# KiCad board GPDI_ULX3S_panel.kicad_pcb (continued)
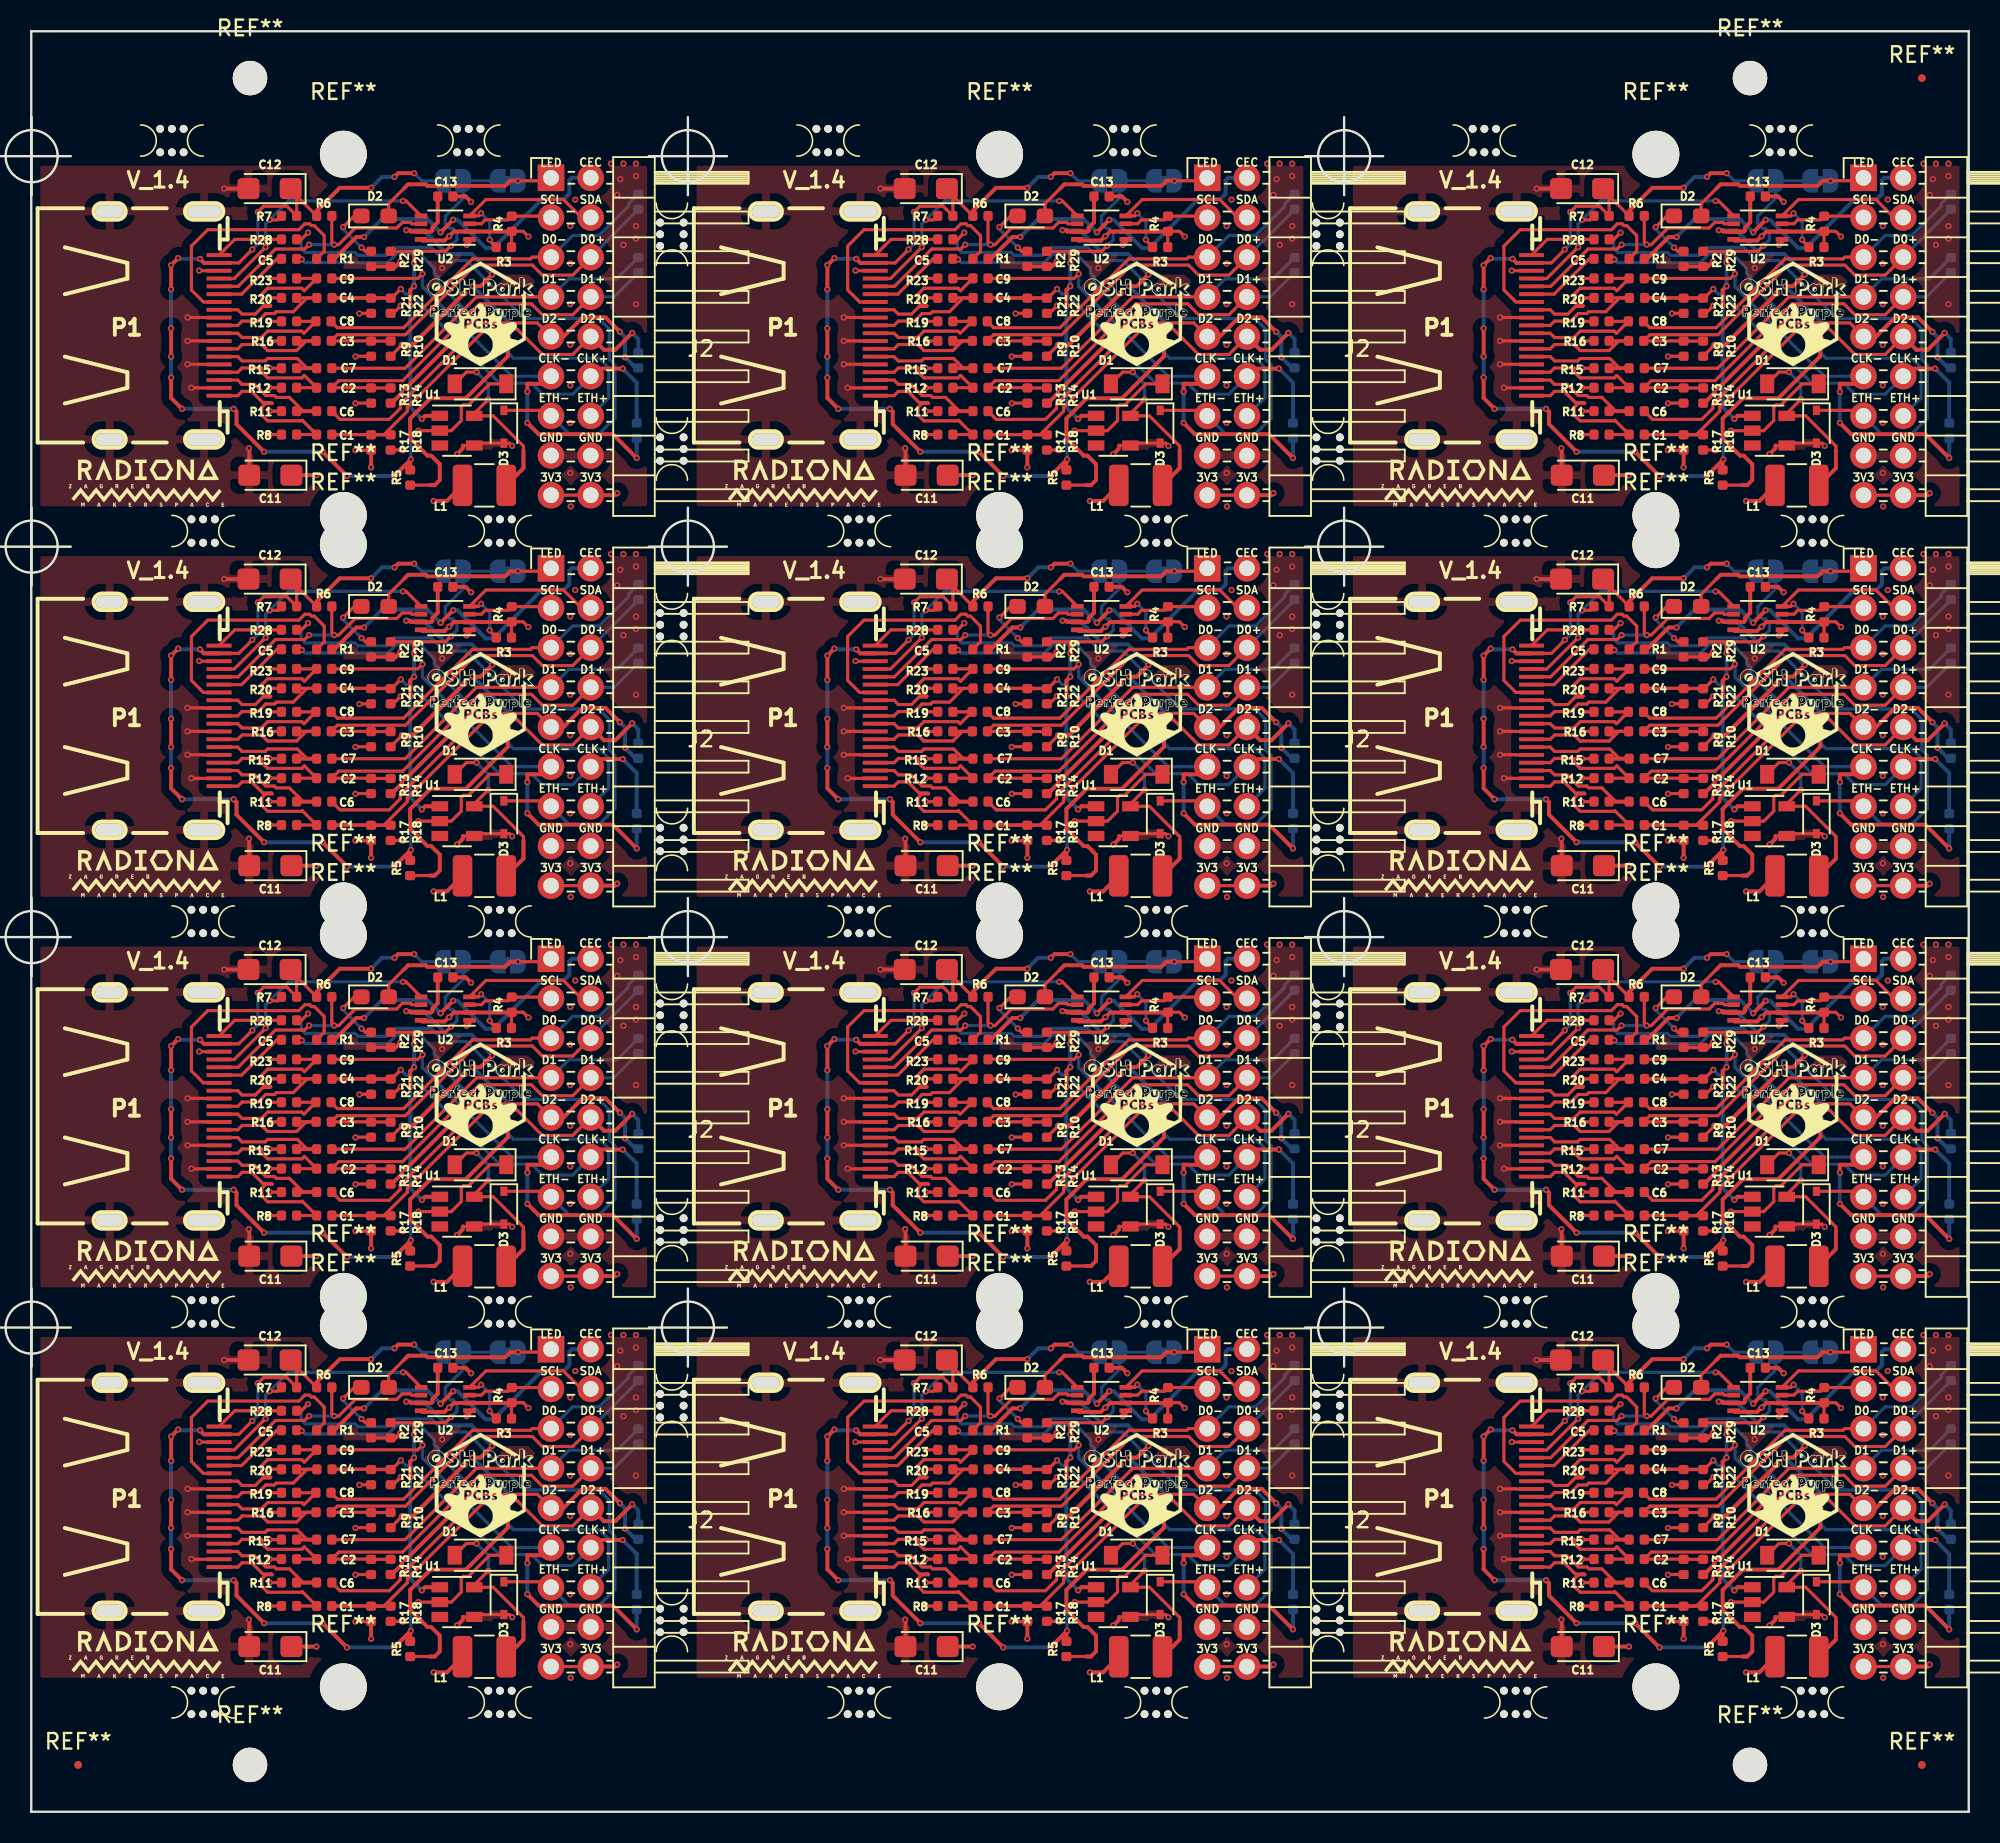
[diagram p0: board, top side]
## Placement (name value [footprint] x y rotation side) (continued)
P1#2  GPDI  [HDMI-D]  48.47 95.17 180 top
P1#3  GPDI  [HDMI-D]  90.47 95.17 180 top
P1#4  GPDI  [HDMI-D]  6.47 70.17 180 top
P1#5  GPDI  [HDMI-D]  48.47 70.17 180 top
P1#6  GPDI  [HDMI-D]  90.47 70.17 180 top
P1#7  GPDI  [HDMI-D]  6.47 45.17 180 top
P1#8  GPDI  [HDMI-D]  48.47 45.17 180 top
P1#9  GPDI  [HDMI-D]  90.47 45.17 180 top
P1#10  GPDI  [HDMI-D]  6.47 20.17 180 top
P1#11  GPDI  [HDMI-D]  48.47 20.17 180 top
P1#12  GPDI  [HDMI-D]  90.47 20.17 180 top
R1  510  [R_0402_1005Metric]  18.75 99.43 0 top
R1#2  510  [R_0402_1005Metric]  60.75 99.43 0 top
R1#3  510  [R_0402_1005Metric]  102.75 99.43 0 top
R1#4  510  [R_0402_1005Metric]  18.75 74.43 0 top
R1#5  510  [R_0402_1005Metric]  60.75 74.43 0 top
R1#6  510  [R_0402_1005Metric]  102.75 74.43 0 top
R1#7  510  [R_0402_1005Metric]  18.75 49.42 0 top
R1#8  510  [R_0402_1005Metric]  60.75 49.42 0 top
R1#9  510  [R_0402_1005Metric]  102.75 49.42 0 top
R1#10  510  [R_0402_1005Metric]  18.75 24.43 0 top
R1#11  510  [R_0402_1005Metric]  60.75 24.43 0 top
R1#12  510  [R_0402_1005Metric]  102.75 24.43 0 top
R2  4.7k  [R_0402_1005Metric]  21.75 99.43 270 top
R2#2  4.7k  [R_0402_1005Metric]  63.75 99.43 270 top
R2#3  4.7k  [R_0402_1005Metric]  105.75 99.43 270 top
R2#4  4.7k  [R_0402_1005Metric]  21.75 74.43 270 top
R2#5  4.7k  [R_0402_1005Metric]  63.75 74.43 270 top
R2#6  4.7k  [R_0402_1005Metric]  105.75 74.43 270 top
R2#7  4.7k  [R_0402_1005Metric]  21.75 49.42 270 top
R2#8  4.7k  [R_0402_1005Metric]  63.75 49.42 270 top
R2#9  4.7k  [R_0402_1005Metric]  105.75 49.42 270 top
R2#10  4.7k  [R_0402_1005Metric]  21.75 24.43 270 top
R2#11  4.7k  [R_0402_1005Metric]  63.75 24.43 270 top
R2#12  4.7k  [R_0402_1005Metric]  105.75 24.43 270 top
R3  3.3k  [R_0402_1005Metric]  30.25 100.18 180 top
R3#2  3.3k  [R_0402_1005Metric]  72.25 100.18 180 top
R3#3  3.3k  [R_0402_1005Metric]  114.25 100.18 180 top
R3#4  3.3k  [R_0402_1005Metric]  30.25 75.18 180 top
R3#5  3.3k  [R_0402_1005Metric]  72.25 75.18 180 top
R3#6  3.3k  [R_0402_1005Metric]  114.25 75.18 180 top
R3#7  3.3k  [R_0402_1005Metric]  30.25 50.17 180 top
R3#8  3.3k  [R_0402_1005Metric]  72.25 50.17 180 top
R3#9  3.3k  [R_0402_1005Metric]  114.25 50.17 180 top
R3#10  3.3k  [R_0402_1005Metric]  30.25 25.18 180 top
R3#11  3.3k  [R_0402_1005Metric]  72.25 25.18 180 top
R3#12  3.3k  [R_0402_1005Metric]  114.25 25.18 180 top
R4  3.3k  [R_0402_1005Metric]  30.75 101.68 90 top
R4#2  3.3k  [R_0402_1005Metric]  72.75 101.68 90 top
R4#3  3.3k  [R_0402_1005Metric]  114.75 101.68 90 top
R4#4  3.3k  [R_0402_1005Metric]  30.75 76.68 90 top
R4#5  3.3k  [R_0402_1005Metric]  72.75 76.68 90 top
R4#6  3.3k  [R_0402_1005Metric]  114.75 76.68 90 top
R4#7  3.3k  [R_0402_1005Metric]  30.75 51.68 90 top
R4#8  3.3k  [R_0402_1005Metric]  72.75 51.68 90 top
R4#9  3.3k  [R_0402_1005Metric]  114.75 51.68 90 top
R4#10  3.3k  [R_0402_1005Metric]  30.75 26.68 90 top
R4#11  3.3k  [R_0402_1005Metric]  72.75 26.68 90 top
R4#12  3.3k  [R_0402_1005Metric]  114.75 26.68 90 top
R5  100k  [R_0402_1005Metric]  24.25 85.43 270 top
R5#2  100k  [R_0402_1005Metric]  66.25 85.43 270 top
R5#3  100k  [R_0402_1005Metric]  108.25 85.43 270 top
R5#4  100k  [R_0402_1005Metric]  24.25 60.43 270 top
R5#5  100k  [R_0402_1005Metric]  66.25 60.43 270 top
R5#6  100k  [R_0402_1005Metric]  108.25 60.43 270 top
R5#7  100k  [R_0402_1005Metric]  24.25 35.42 270 top
R5#8  100k  [R_0402_1005Metric]  66.25 35.42 270 top
R5#9  100k  [R_0402_1005Metric]  108.25 35.42 270 top
R5#10  100k  [R_0402_1005Metric]  24.25 10.43 270 top
R5#11  100k  [R_0402_1005Metric]  66.25 10.43 270 top
R5#12  100k  [R_0402_1005Metric]  108.25 10.43 270 top
R6  4.7k  [R_0402_1005Metric]  18.75 102.18 0 top
R6#2  4.7k  [R_0402_1005Metric]  60.75 102.18 0 top
R6#3  4.7k  [R_0402_1005Metric]  102.75 102.18 0 top
R6#4  4.7k  [R_0402_1005Metric]  18.75 77.18 0 top
R6#5  4.7k  [R_0402_1005Metric]  60.75 77.18 0 top
R6#6  4.7k  [R_0402_1005Metric]  102.75 77.18 0 top
R6#7  4.7k  [R_0402_1005Metric]  18.75 52.18 0 top
R6#8  4.7k  [R_0402_1005Metric]  60.75 52.18 0 top
R6#9  4.7k  [R_0402_1005Metric]  102.75 52.18 0 top
R6#10  4.7k  [R_0402_1005Metric]  18.75 27.18 0 top
R6#11  4.7k  [R_0402_1005Metric]  60.75 27.18 0 top
R6#12  4.7k  [R_0402_1005Metric]  102.75 27.18 0 top
R7  4.7k  [R_0402_1005Metric]  16.5 102.18 180 top
R7#2  4.7k  [R_0402_1005Metric]  58.5 102.18 180 top
R7#3  4.7k  [R_0402_1005Metric]  100.5 102.18 180 top
R7#4  4.7k  [R_0402_1005Metric]  16.5 77.18 180 top
R7#5  4.7k  [R_0402_1005Metric]  58.5 77.18 180 top
R7#6  4.7k  [R_0402_1005Metric]  100.5 77.18 180 top
R7#7  4.7k  [R_0402_1005Metric]  16.5 52.18 180 top
R7#8  4.7k  [R_0402_1005Metric]  58.5 52.18 180 top
R7#9  4.7k  [R_0402_1005Metric]  100.5 52.18 180 top
R7#10  4.7k  [R_0402_1005Metric]  16.5 27.18 180 top
R7#11  4.7k  [R_0402_1005Metric]  58.5 27.18 180 top
R7#12  4.7k  [R_0402_1005Metric]  100.5 27.18 180 top
R8  50R  [R_0402_1005Metric]  16.5 88.18 0 top
R8#2  50R  [R_0402_1005Metric]  58.5 88.18 0 top
R8#3  50R  [R_0402_1005Metric]  100.5 88.18 0 top
R8#4  50R  [R_0402_1005Metric]  16.5 63.18 0 top
R8#5  50R  [R_0402_1005Metric]  58.5 63.18 0 top
R8#6  50R  [R_0402_1005Metric]  100.5 63.18 0 top
R8#7  50R  [R_0402_1005Metric]  16.5 38.17 0 top
R8#8  50R  [R_0402_1005Metric]  58.5 38.17 0 top
R8#9  50R  [R_0402_1005Metric]  100.5 38.17 0 top
R8#10  50R  [R_0402_1005Metric]  16.5 13.18 0 top
R8#11  50R  [R_0402_1005Metric]  58.5 13.18 0 top
R8#12  50R  [R_0402_1005Metric]  100.5 13.18 0 top
R9  10K  [R_0402_1005Metric]  21.75 93.68 90 top
R9#2  10K  [R_0402_1005Metric]  63.75 93.68 90 top
R9#3  10K  [R_0402_1005Metric]  105.75 93.68 90 top
R9#4  10K  [R_0402_1005Metric]  21.75 68.68 90 top
R9#5  10K  [R_0402_1005Metric]  63.75 68.68 90 top
R9#6  10K  [R_0402_1005Metric]  105.75 68.68 90 top
R9#7  10K  [R_0402_1005Metric]  21.75 43.67 90 top
R9#8  10K  [R_0402_1005Metric]  63.75 43.67 90 top
R9#9  10K  [R_0402_1005Metric]  105.75 43.67 90 top
R9#10  10K  [R_0402_1005Metric]  21.75 18.68 90 top
R9#11  10K  [R_0402_1005Metric]  63.75 18.68 90 top
R9#12  10K  [R_0402_1005Metric]  105.75 18.68 90 top
R10  10K  [R_0402_1005Metric]  23 93.68 270 top
R10#2  10K  [R_0402_1005Metric]  65 93.68 270 top
R10#3  10K  [R_0402_1005Metric]  107 93.68 270 top
R10#4  10K  [R_0402_1005Metric]  23 68.68 270 top
R10#5  10K  [R_0402_1005Metric]  65 68.68 270 top
R10#6  10K  [R_0402_1005Metric]  107 68.68 270 top
R10#7  10K  [R_0402_1005Metric]  23 43.67 270 top
R10#8  10K  [R_0402_1005Metric]  65 43.67 270 top
R10#9  10K  [R_0402_1005Metric]  107 43.67 270 top
R10#10  10K  [R_0402_1005Metric]  23 18.68 270 top
R10#11  10K  [R_0402_1005Metric]  65 18.68 270 top
R10#12  10K  [R_0402_1005Metric]  107 18.68 270 top
R11  50R  [R_0402_1005Metric]  16.5 89.68 0 top
R11#2  50R  [R_0402_1005Metric]  58.5 89.68 0 top
R11#3  50R  [R_0402_1005Metric]  100.5 89.68 0 top
R11#4  50R  [R_0402_1005Metric]  16.5 64.68 0 top
R11#5  50R  [R_0402_1005Metric]  58.5 64.68 0 top
R11#6  50R  [R_0402_1005Metric]  100.5 64.68 0 top
R11#7  50R  [R_0402_1005Metric]  16.5 39.67 0 top
R11#8  50R  [R_0402_1005Metric]  58.5 39.67 0 top
R11#9  50R  [R_0402_1005Metric]  100.5 39.67 0 top
R11#10  50R  [R_0402_1005Metric]  16.5 14.68 0 top
R11#11  50R  [R_0402_1005Metric]  58.5 14.68 0 top
R11#12  50R  [R_0402_1005Metric]  100.5 14.68 0 top
R12  50R  [R_0402_1005Metric]  16.5 91.18 0 top
R12#2  50R  [R_0402_1005Metric]  58.5 91.18 0 top
R12#3  50R  [R_0402_1005Metric]  100.5 91.18 0 top
R12#4  50R  [R_0402_1005Metric]  16.5 66.18 0 top
R12#5  50R  [R_0402_1005Metric]  58.5 66.18 0 top
R12#6  50R  [R_0402_1005Metric]  100.5 66.18 0 top
R12#7  50R  [R_0402_1005Metric]  16.5 41.17 0 top
R12#8  50R  [R_0402_1005Metric]  58.5 41.17 0 top
R12#9  50R  [R_0402_1005Metric]  100.5 41.17 0 top
R12#10  50R  [R_0402_1005Metric]  16.5 16.18 0 top
R12#11  50R  [R_0402_1005Metric]  58.5 16.18 0 top
R12#12  50R  [R_0402_1005Metric]  100.5 16.18 0 top
R13  10K  [R_0402_1005Metric]  21.75 90.68 90 top
R13#2  10K  [R_0402_1005Metric]  63.75 90.68 90 top
R13#3  10K  [R_0402_1005Metric]  105.75 90.68 90 top
R13#4  10K  [R_0402_1005Metric]  21.75 65.68 90 top
R13#5  10K  [R_0402_1005Metric]  63.75 65.68 90 top
R13#6  10K  [R_0402_1005Metric]  105.75 65.68 90 top
R13#7  10K  [R_0402_1005Metric]  21.75 40.67 90 top
R13#8  10K  [R_0402_1005Metric]  63.75 40.67 90 top
R13#9  10K  [R_0402_1005Metric]  105.75 40.67 90 top
R13#10  10K  [R_0402_1005Metric]  21.75 15.68 90 top
R13#11  10K  [R_0402_1005Metric]  63.75 15.68 90 top
R13#12  10K  [R_0402_1005Metric]  105.75 15.68 90 top
R14  10K  [R_0402_1005Metric]  23 90.68 270 top
R14#2  10K  [R_0402_1005Metric]  65 90.68 270 top
R14#3  10K  [R_0402_1005Metric]  107 90.68 270 top
R14#4  10K  [R_0402_1005Metric]  23 65.68 270 top
R14#5  10K  [R_0402_1005Metric]  65 65.68 270 top
R14#6  10K  [R_0402_1005Metric]  107 65.68 270 top
R14#7  10K  [R_0402_1005Metric]  23 40.67 270 top
R14#8  10K  [R_0402_1005Metric]  65 40.67 270 top
R14#9  10K  [R_0402_1005Metric]  107 40.67 270 top
R14#10  10K  [R_0402_1005Metric]  23 15.68 270 top
R14#11  10K  [R_0402_1005Metric]  65 15.68 270 top
R14#12  10K  [R_0402_1005Metric]  107 15.68 270 top
R15  50R  [R_0402_1005Metric]  16.5 92.43 0 top
R15#2  50R  [R_0402_1005Metric]  58.5 92.43 0 top
R15#3  50R  [R_0402_1005Metric]  100.5 92.43 0 top
R15#4  50R  [R_0402_1005Metric]  16.5 67.43 0 top
R15#5  50R  [R_0402_1005Metric]  58.5 67.43 0 top
R15#6  50R  [R_0402_1005Metric]  100.5 67.43 0 top
R15#7  50R  [R_0402_1005Metric]  16.5 42.42 0 top
R15#8  50R  [R_0402_1005Metric]  58.5 42.42 0 top
R15#9  50R  [R_0402_1005Metric]  100.5 42.42 0 top
R15#10  50R  [R_0402_1005Metric]  16.5 17.43 0 top
R15#11  50R  [R_0402_1005Metric]  58.5 17.43 0 top
R15#12  50R  [R_0402_1005Metric]  100.5 17.43 0 top
R16  50R  [R_0402_1005Metric]  16.5 94.18 0 top
R16#2  50R  [R_0402_1005Metric]  58.5 94.18 0 top
R16#3  50R  [R_0402_1005Metric]  100.5 94.18 0 top
R16#4  50R  [R_0402_1005Metric]  16.5 69.18 0 top
R16#5  50R  [R_0402_1005Metric]  58.5 69.18 0 top
R16#6  50R  [R_0402_1005Metric]  100.5 69.18 0 top
R16#7  50R  [R_0402_1005Metric]  16.5 44.17 0 top
R16#8  50R  [R_0402_1005Metric]  58.5 44.17 0 top
R16#9  50R  [R_0402_1005Metric]  100.5 44.17 0 top
R16#10  50R  [R_0402_1005Metric]  16.5 19.18 0 top
R16#11  50R  [R_0402_1005Metric]  58.5 19.18 0 top
R16#12  50R  [R_0402_1005Metric]  100.5 19.18 0 top
R17  10K  [R_0402_1005Metric]  21.75 87.68 90 top
R17#2  10K  [R_0402_1005Metric]  63.75 87.68 90 top
R17#3  10K  [R_0402_1005Metric]  105.75 87.68 90 top
R17#4  10K  [R_0402_1005Metric]  21.75 62.68 90 top
R17#5  10K  [R_0402_1005Metric]  63.75 62.68 90 top
R17#6  10K  [R_0402_1005Metric]  105.75 62.68 90 top
R17#7  10K  [R_0402_1005Metric]  21.75 37.67 90 top
R17#8  10K  [R_0402_1005Metric]  63.75 37.67 90 top
R17#9  10K  [R_0402_1005Metric]  105.75 37.67 90 top
R17#10  10K  [R_0402_1005Metric]  21.75 12.68 90 top
R17#11  10K  [R_0402_1005Metric]  63.75 12.68 90 top
R17#12  10K  [R_0402_1005Metric]  105.75 12.68 90 top
R18  10K  [R_0402_1005Metric]  23 87.68 270 top
R18#2  10K  [R_0402_1005Metric]  65 87.68 270 top
R18#3  10K  [R_0402_1005Metric]  107 87.68 270 top
R18#4  10K  [R_0402_1005Metric]  23 62.68 270 top
R18#5  10K  [R_0402_1005Metric]  65 62.68 270 top
R18#6  10K  [R_0402_1005Metric]  107 62.68 270 top
R18#7  10K  [R_0402_1005Metric]  23 37.67 270 top
R18#8  10K  [R_0402_1005Metric]  65 37.67 270 top
R18#9  10K  [R_0402_1005Metric]  107 37.67 270 top
R18#10  10K  [R_0402_1005Metric]  23 12.68 270 top
R18#11  10K  [R_0402_1005Metric]  65 12.68 270 top
R18#12  10K  [R_0402_1005Metric]  107 12.68 270 top
R19  50R  [R_0402_1005Metric]  16.5 95.43 0 top
R19#2  50R  [R_0402_1005Metric]  58.5 95.43 0 top
R19#3  50R  [R_0402_1005Metric]  100.5 95.43 0 top
R19#4  50R  [R_0402_1005Metric]  16.5 70.43 0 top
R19#5  50R  [R_0402_1005Metric]  58.5 70.43 0 top
R19#6  50R  [R_0402_1005Metric]  100.5 70.43 0 top
R19#7  50R  [R_0402_1005Metric]  16.5 45.42 0 top
R19#8  50R  [R_0402_1005Metric]  58.5 45.42 0 top
R19#9  50R  [R_0402_1005Metric]  100.5 45.42 0 top
R19#10  50R  [R_0402_1005Metric]  16.5 20.43 0 top
R19#11  50R  [R_0402_1005Metric]  58.5 20.43 0 top
R19#12  50R  [R_0402_1005Metric]  100.5 20.43 0 top
R20  50R  [R_0402_1005Metric]  16.5 96.93 0 top
R20#2  50R  [R_0402_1005Metric]  58.5 96.93 0 top
R20#3  50R  [R_0402_1005Metric]  100.5 96.93 0 top
R20#4  50R  [R_0402_1005Metric]  16.5 71.93 0 top
R20#5  50R  [R_0402_1005Metric]  58.5 71.93 0 top
R20#6  50R  [R_0402_1005Metric]  100.5 71.93 0 top
R20#7  50R  [R_0402_1005Metric]  16.5 46.92 0 top
R20#8  50R  [R_0402_1005Metric]  58.5 46.92 0 top
R20#9  50R  [R_0402_1005Metric]  100.5 46.92 0 top
R20#10  50R  [R_0402_1005Metric]  16.5 21.93 0 top
R20#11  50R  [R_0402_1005Metric]  58.5 21.93 0 top
R20#12  50R  [R_0402_1005Metric]  100.5 21.93 0 top
R21  10K  [R_0402_1005Metric]  21.75 96.43 90 top
R21#2  10K  [R_0402_1005Metric]  63.75 96.43 90 top
R21#3  10K  [R_0402_1005Metric]  105.75 96.43 90 top
R21#4  10K  [R_0402_1005Metric]  21.75 71.43 90 top
R21#5  10K  [R_0402_1005Metric]  63.75 71.43 90 top
R21#6  10K  [R_0402_1005Metric]  105.75 71.43 90 top
R21#7  10K  [R_0402_1005Metric]  21.75 46.42 90 top
R21#8  10K  [R_0402_1005Metric]  63.75 46.42 90 top
R21#9  10K  [R_0402_1005Metric]  105.75 46.42 90 top
R21#10  10K  [R_0402_1005Metric]  21.75 21.43 90 top
R21#11  10K  [R_0402_1005Metric]  63.75 21.43 90 top
R21#12  10K  [R_0402_1005Metric]  105.75 21.43 90 top
R22  10K  [R_0402_1005Metric]  23 96.43 270 top
R22#2  10K  [R_0402_1005Metric]  65 96.43 270 top
R22#3  10K  [R_0402_1005Metric]  107 96.43 270 top
R22#4  10K  [R_0402_1005Metric]  23 71.43 270 top
R22#5  10K  [R_0402_1005Metric]  65 71.43 270 top
R22#6  10K  [R_0402_1005Metric]  107 71.43 270 top
R22#7  10K  [R_0402_1005Metric]  23 46.42 270 top
R22#8  10K  [R_0402_1005Metric]  65 46.42 270 top
R22#9  10K  [R_0402_1005Metric]  107 46.42 270 top
R22#10  10K  [R_0402_1005Metric]  23 21.43 270 top
R22#11  10K  [R_0402_1005Metric]  65 21.43 270 top
R22#12  10K  [R_0402_1005Metric]  107 21.43 270 top
R23  50R  [R_0402_1005Metric]  16.5 98.18 0 top
R23#2  50R  [R_0402_1005Metric]  58.5 98.18 0 top
R23#3  50R  [R_0402_1005Metric]  100.5 98.18 0 top
R23#4  50R  [R_0402_1005Metric]  16.5 73.18 0 top
R23#5  50R  [R_0402_1005Metric]  58.5 73.18 0 top
R23#6  50R  [R_0402_1005Metric]  100.5 73.18 0 top
R23#7  50R  [R_0402_1005Metric]  16.5 48.17 0 top
R23#8  50R  [R_0402_1005Metric]  58.5 48.17 0 top
R23#9  50R  [R_0402_1005Metric]  100.5 48.17 0 top
R23#10  50R  [R_0402_1005Metric]  16.5 23.18 0 top
R23#11  50R  [R_0402_1005Metric]  58.5 23.18 0 top
R23#12  50R  [R_0402_1005Metric]  100.5 23.18 0 top
R24  200R  [R_0402_1005Metric]  38.85 92.93 270 bottom
R24#2  200R  [R_0402_1005Metric]  80.85 92.93 270 bottom
R24#3  200R  [R_0402_1005Metric]  122.85 92.93 270 bottom
R24#4  200R  [R_0402_1005Metric]  38.85 67.93 270 bottom
R24#5  200R  [R_0402_1005Metric]  80.85 67.93 270 bottom
R24#6  200R  [R_0402_1005Metric]  122.85 67.93 270 bottom
R24#7  200R  [R_0402_1005Metric]  38.85 42.93 270 bottom
R24#8  200R  [R_0402_1005Metric]  80.85 42.93 270 bottom
R24#9  200R  [R_0402_1005Metric]  122.85 42.93 270 bottom
R24#10  200R  [R_0402_1005Metric]  38.85 17.93 270 bottom
R24#11  200R  [R_0402_1005Metric]  80.85 17.93 270 bottom
R24#12  200R  [R_0402_1005Metric]  122.85 17.93 270 bottom
R25  200R  [R_0402_1005Metric]  38.85 99.03 90 bottom
R25#2  200R  [R_0402_1005Metric]  80.85 99.03 90 bottom
R25#3  200R  [R_0402_1005Metric]  122.85 99.03 90 bottom
R25#4  200R  [R_0402_1005Metric]  38.85 74.03 90 bottom
R25#5  200R  [R_0402_1005Metric]  80.85 74.03 90 bottom
R25#6  200R  [R_0402_1005Metric]  122.85 74.03 90 bottom
R25#7  200R  [R_0402_1005Metric]  38.85 49.03 90 bottom
R25#8  200R  [R_0402_1005Metric]  80.85 49.03 90 bottom
R25#9  200R  [R_0402_1005Metric]  122.85 49.03 90 bottom
R25#10  200R  [R_0402_1005Metric]  38.85 24.03 90 bottom
R25#11  200R  [R_0402_1005Metric]  80.85 24.03 90 bottom
R25#12  200R  [R_0402_1005Metric]  122.85 24.03 90 bottom
R26  200R  [R_0402_1005Metric]  38.85 103.09 90 bottom
R26#2  200R  [R_0402_1005Metric]  80.85 103.09 90 bottom
R26#3  200R  [R_0402_1005Metric]  122.85 103.09 90 bottom
R26#4  200R  [R_0402_1005Metric]  38.85 78.09 90 bottom
R26#5  200R  [R_0402_1005Metric]  80.85 78.09 90 bottom
R26#6  200R  [R_0402_1005Metric]  122.85 78.09 90 bottom
R26#7  200R  [R_0402_1005Metric]  38.85 53.09 90 bottom
R26#8  200R  [R_0402_1005Metric]  80.85 53.09 90 bottom
R26#9  200R  [R_0402_1005Metric]  122.85 53.09 90 bottom
R26#10  200R  [R_0402_1005Metric]  38.85 28.09 90 bottom
R26#11  200R  [R_0402_1005Metric]  80.85 28.09 90 bottom
R26#12  200R  [R_0402_1005Metric]  122.85 28.09 90 bottom
R27  200R  [R_0402_1005Metric]  38.75 88.43 270 bottom
R27#2  200R  [R_0402_1005Metric]  80.75 88.43 270 bottom
R27#3  200R  [R_0402_1005Metric]  122.75 88.43 270 bottom
R27#4  200R  [R_0402_1005Metric]  38.75 63.43 270 bottom
R27#5  200R  [R_0402_1005Metric]  80.75 63.43 270 bottom
R27#6  200R  [R_0402_1005Metric]  122.75 63.43 270 bottom
R27#7  200R  [R_0402_1005Metric]  38.75 38.42 270 bottom
R27#8  200R  [R_0402_1005Metric]  80.75 38.42 270 bottom
R27#9  200R  [R_0402_1005Metric]  122.75 38.42 270 bottom
R27#10  200R  [R_0402_1005Metric]  38.75 13.43 270 bottom
R27#11  200R  [R_0402_1005Metric]  80.75 13.43 270 bottom
R27#12  200R  [R_0402_1005Metric]  122.75 13.43 270 bottom
R28  510  [R_0402_1005Metric]  16.5 100.68 0 top
R28#2  510  [R_0402_1005Metric]  58.5 100.68 0 top
R28#3  510  [R_0402_1005Metric]  100.5 100.68 0 top
R28#4  510  [R_0402_1005Metric]  16.5 75.68 0 top
R28#5  510  [R_0402_1005Metric]  58.5 75.68 0 top
R28#6  510  [R_0402_1005Metric]  100.5 75.68 0 top
R28#7  510  [R_0402_1005Metric]  16.5 50.67 0 top
R28#8  510  [R_0402_1005Metric]  58.5 50.67 0 top
R28#9  510  [R_0402_1005Metric]  100.5 50.67 0 top
R28#10  510  [R_0402_1005Metric]  16.5 25.68 0 top
R28#11  510  [R_0402_1005Metric]  58.5 25.68 0 top
R28#12  510  [R_0402_1005Metric]  100.5 25.68 0 top
R29  4.7k  [R_0402_1005Metric]  23 99.43 270 top
R29#2  4.7k  [R_0402_1005Metric]  65 99.43 270 top
R29#3  4.7k  [R_0402_1005Metric]  107 99.43 270 top
R29#4  4.7k  [R_0402_1005Metric]  23 74.43 270 top
R29#5  4.7k  [R_0402_1005Metric]  65 74.43 270 top
R29#6  4.7k  [R_0402_1005Metric]  107 74.43 270 top
R29#7  4.7k  [R_0402_1005Metric]  23 49.42 270 top
R29#8  4.7k  [R_0402_1005Metric]  65 49.42 270 top
R29#9  4.7k  [R_0402_1005Metric]  107 49.42 270 top
R29#10  4.7k  [R_0402_1005Metric]  23 24.43 270 top
R29#11  4.7k  [R_0402_1005Metric]  65 24.43 270 top
R29#12  4.7k  [R_0402_1005Metric]  107 24.43 270 top
REF**  -  [Fiducial_0.5mm_Mask1mm]  121 3 0 top
REF**#2  -  [Fiducial_0.5mm_Mask1mm]  3 3 0 top
REF**#3  -  [Fiducial_0.5mm_Mask1mm]  121 111 0 top
REF**#4  -  [MountingHole_2.2mm_M2]  110 3 0 top
REF**#5  -  [MountingHole_2.2mm_M2]  14 3 0 top
REF**#6  -  [MountingHole_2.2mm_M2]  110 111 0 top
REF**#7  -  [MountingHole_3mm]  19.98 106.12 0 top
REF**#8  -  [MountingHole_3mm]  61.98 106.12 0 top
REF**#9  -  [MountingHole_3mm]  103.98 106.12 0 top
REF**#10  -  [MountingHole_3mm]  19.98 81.12 0 top
REF**#11  -  [MountingHole_3mm]  61.98 81.12 0 top
REF**#12  -  [MountingHole_3mm]  103.98 81.12 0 top
REF**#13  -  [MountingHole_3mm]  19.98 56.12 0 top
REF**#14  -  [MountingHole_3mm]  61.98 56.12 0 top
REF**#15  -  [MountingHole_3mm]  103.98 56.12 0 top
REF**#16  -  [MountingHole_3mm]  19.98 31.12 0 top
REF**#17  -  [MountingHole_3mm]  61.98 31.12 0 top
REF**#18  -  [MountingHole_3mm]  103.98 31.12 0 top
REF**#19  -  [MountingHole_2.2mm_M2]  14 111 0 top
REF**#20  -  [MountingHole_3mm]  19.98 83 0 top
REF**#21  -  [MountingHole_3mm]  61.98 83 0 top
REF**#22  -  [MountingHole_3mm]  103.98 83 0 top
REF**#23  -  [MountingHole_3mm]  19.98 58 0 top
REF**#24  -  [MountingHole_3mm]  61.98 58 0 top
REF**#25  -  [MountingHole_3mm]  103.98 58 0 top
REF**#26  -  [MountingHole_3mm]  19.98 33 0 top
REF**#27  -  [MountingHole_3mm]  61.98 33 0 top
REF**#28  -  [MountingHole_3mm]  103.98 33 0 top
REF**#29  -  [MountingHole_3mm]  19.98 8 0 top
REF**#30  -  [MountingHole_3mm]  61.98 8 0 top
REF**#31  -  [MountingHole_3mm]  103.98 8 0 top
U1  RN5RK501A  [SOT-23-5]  27.25 88.43 0 top
U1#2  RN5RK501A  [SOT-23-5]  69.25 88.43 0 top
U1#3  RN5RK501A  [SOT-23-5]  111.25 88.43 0 top
U1#4  RN5RK501A  [SOT-23-5]  27.25 63.43 0 top
U1#5  RN5RK501A  [SOT-23-5]  69.25 63.43 0 top
U1#6  RN5RK501A  [SOT-23-5]  111.25 63.43 0 top
U1#7  RN5RK501A  [SOT-23-5]  27.25 38.42 0 top
U1#8  RN5RK501A  [SOT-23-5]  69.25 38.42 0 top
U1#9  RN5RK501A  [SOT-23-5]  111.25 38.42 0 top
U1#10  RN5RK501A  [SOT-23-5]  27.25 13.43 0 top
U1#11  RN5RK501A  [SOT-23-5]  69.25 13.43 0 top
U1#12  RN5RK501A  [SOT-23-5]  111.25 13.43 0 top
U2  PCA9306  [VSSOP-8_2.3x2mm_P0.5mm]  26.5 101.43 180 top
U2#2  PCA9306  [VSSOP-8_2.3x2mm_P0.5mm]  68.5 101.43 180 top
U2#3  PCA9306  [VSSOP-8_2.3x2mm_P0.5mm]  110.5 101.43 180 top
U2#4  PCA9306  [VSSOP-8_2.3x2mm_P0.5mm]  26.5 76.43 180 top
U2#5  PCA9306  [VSSOP-8_2.3x2mm_P0.5mm]  68.5 76.43 180 top
U2#6  PCA9306  [VSSOP-8_2.3x2mm_P0.5mm]  110.5 76.43 180 top
U2#7  PCA9306  [VSSOP-8_2.3x2mm_P0.5mm]  26.5 51.42 180 top
U2#8  PCA9306  [VSSOP-8_2.3x2mm_P0.5mm]  68.5 51.42 180 top
U2#9  PCA9306  [VSSOP-8_2.3x2mm_P0.5mm]  110.5 51.42 180 top
U2#10  PCA9306  [VSSOP-8_2.3x2mm_P0.5mm]  26.5 26.43 180 top
U2#11  PCA9306  [VSSOP-8_2.3x2mm_P0.5mm]  68.5 26.43 180 top
U2#12  PCA9306  [VSSOP-8_2.3x2mm_P0.5mm]  110.5 26.43 180 top

## Footprints (pads in the part's own frame, mm; a bottom-side part is the same pattern mirrored in y, then rotated)
C_0402_1005Metric
  rrect 0.59x0.64 smd: 1(-0.485,0) 2(0.485,0)
CP_EIA-3216-10_Kemet-I
  rrect 1.4x1.35 smd: 1(-1.35,0) 2(1.35,0)
D_SOD-123
  rect 0.9x1.2 smd: 1(-1.65,0) 2(1.65,0)
D_SOD-323
  rect 0.6x0.45 smd: 1(-1.05,0) 2(1.05,0)
Fiducial_0.5mm_Mask1mm
  round 0.5 smd: (0,0)
HDMI-D
  oval 2.7x1.3 hole 2.2x0.8: 0(-4.6,7.3) 0(-4.6,-7.3)
  oval 2.3x1.3 hole 1.8x0.8: 0(1.45,7.3) 0(1.45,-7.3)
  rect 1.6x0.25 smd: 1(-5.55,4.5) 2(-5.55,4) 3(-5.55,3.5) 4(-5.55,3) 5(-5.55,2.5) 6(-5.55,2) 7(-5.55,1.5) 8(-5.55,1) 9(-5.55,0.5) 10(-5.55,0) 11(-5.55,-0.5) 12(-5.55,-1) 13(-5.55,-1.5) 14(-5.55,-2) 15(-5.55,-2.5) 16(-5.55,-3) 17(-5.55,-3.5) 18(-5.55,-4) 19(-5.55,-4.5)
L_1210_3225Metric
  rrect 1.25x2.65 smd: 1(-1.4,0) 2(1.4,0)
LED_0603_1608Metric_Pad1.05x0.95mm_HandSolder
  rrect 1.05x0.95 smd: 1(-0.875,0) 2(0.875,0)
MountingHole_2.2mm_M2
  round 2.2 hole 2.2 unplated: (0,0)
MountingHole_3mm
  round 3 hole 3 unplated: (0,0)
mouse-bite-2mm-slot
  round 0.5 hole 0.5 unplated: (-0.75,0.75) (-0.75,-0.75) (0,0.75) (0,-0.75) (0.75,0.75) (0.75,-0.75)
PinHeader_2x09_P2.54mm_Horizontal
  rect 1.7x1.7 hole 1: 1(0,0)
  oval 1.7x1.7 hole 1: 2(2.54,0) 3(0,-2.54) 4(2.54,-2.54) 5(0,-5.08) 6(2.54,-5.08) 7(0,-7.62) 8(2.54,-7.62) 9(0,-10.16) 10(2.54,-10.16) 11(0,-12.7) 12(2.54,-12.7) 13(0,-15.24) 14(2.54,-15.24) 15(0,-17.78) 16(2.54,-17.78) 17(0,-20.32) 18(2.54,-20.32)
R_0402_1005Metric
  rrect 0.59x0.64 smd: 1(-0.485,0) 2(0.485,0)
SolderJumper-2_P1.3mm_Bridged_RoundedPad1.0x1.5mm
  custom 1x1.5 smd: 1(-0.65,0) 2(0.65,0)
SolderJumper-2_P1.3mm_Open_RoundedPad1.0x1.5mm
  custom 1x1.5 smd: 1(-0.65,0) 2(0.65,0)
SOT-23-5
  rect 1.06x0.65 smd: 1(-1.1,0.95) 2(-1.1,0) 3(-1.1,-0.95) 4(1.1,-0.95) 5(1.1,0.95)
VSSOP-8_2.3x2mm_P0.5mm
  rect 0.8x0.3 smd: 1(-1.55,0.75) 2(-1.55,0.25) 3(-1.55,-0.25) 4(-1.55,-0.75) 5(1.55,-0.75) 6(1.55,-0.25) 7(1.55,0.25) 8(1.55,0.75)

## Nets
+3V3: C11.1 C11#2.1 C11#3.1 C11#4.1 C11#5.1 C11#6.1 C11#7.1 C11#8.1 C11#9.1 C11#10.1 C11#11.1 C11#12.1 J2.17 J2.18 J2#2.17 J2#2.18 J2#3.17 J2#3.18 J2#4.17 J2#4.18 J2#5.17 J2#5.18 J2#6.17 J2#6.18 J2#7.17 J2#7.18 J2#8.17 J2#8.18 J2#9.17 J2#9.18 J2#10.17 J2#10.18 J2#11.17 J2#11.18 J2#12.17 J2#12.18 L1.1 L1#2.1 L1#3.1 L1#4.1 L1#5.1 L1#6.1 L1#7.1 L1#8.1 L1#9.1 L1#10.1 L1#11.1 L1#12.1 R3.1 R3#2.1 R3#3.1 R3#4.1 R3#5.1 R3#6.1 R3#7.1 R3#8.1 R3#9.1 R3#10.1 R3#11.1 R3#12.1 R4.1 R4#2.1 R4#3.1 R4#4.1 R4#5.1 R4#6.1 R4#7.1 R4#8.1 R4#9.1 R4#10.1 R4#11.1 R4#12.1 R8.1 R8#2.1 R8#3.1 R8#4.1 R8#5.1 R8#6.1 R8#7.1 R8#8.1 R8#9.1 R8#10.1 R8#11.1 R8#12.1 R9.1 R9#2.1 R9#3.1 R9#4.1 R9#5.1 R9#6.1 R9#7.1 R9#8.1 R9#9.1 R9#10.1 R9#11.1 R9#12.1 R11.1 R11#2.1 R11#3.1 R11#4.1 R11#5.1 R11#6.1 R11#7.1 R11#8.1 R11#9.1 R11#10.1 R11#11.1 R11#12.1 R12.1 R12#2.1 R12#3.1 R12#4.1 R12#5.1 R12#6.1 R12#7.1 R12#8.1 R12#9.1 R12#10.1 R12#11.1 R12#12.1 R13.1 R13#2.1 R13#3.1 R13#4.1 R13#5.1 R13#6.1 R13#7.1 R13#8.1 R13#9.1 R13#10.1 R13#11.1 R13#12.1 R15.1 R15#2.1 R15#3.1 R15#4.1 R15#5.1 R15#6.1 R15#7.1 R15#8.1 R15#9.1 R15#10.1 R15#11.1 R15#12.1 R16.1 R16#2.1 R16#3.1 R16#4.1 R16#5.1 R16#6.1 R16#7.1 R16#8.1 R16#9.1 R16#10.1 R16#11.1 R16#12.1 R17.1 R17#2.1 R17#3.1 R17#4.1 R17#5.1 R17#6.1 R17#7.1 R17#8.1 R17#9.1 R17#10.1 R17#11.1 R17#12.1 R19.1 R19#2.1 R19#3.1 R19#4.1 R19#5.1 R19#6.1 R19#7.1 R19#8.1 R19#9.1 R19#10.1 R19#11.1 R19#12.1 R20.1 R20#2.1 R20#3.1 R20#4.1 R20#5.1 R20#6.1 R20#7.1 R20#8.1 R20#9.1 R20#10.1 R20#11.1 R20#12.1 R21.1 R21#2.1 R21#3.1 R21#4.1 R21#5.1 R21#6.1 R21#7.1 R21#8.1 R21#9.1 R21#10.1 R21#11.1 R21#12.1 R23.1 R23#2.1 R23#3.1 R23#4.1 R23#5.1 R23#6.1 R23#7.1 R23#8.1 R23#9.1 R23#10.1 R23#11.1 R23#12.1 U2.2 U2.8 U2#2.2 U2#2.8 U2#3.2 U2#3.8 U2#4.2 U2#4.8 U2#5.2 U2#5.8 U2#6.2 U2#6.8 U2#7.2 U2#7.8 U2#8.2 U2#8.8 U2#9.2 U2#9.8 U2#10.2 U2#10.8 U2#11.2 U2#11.8 U2#12.2 U2#12.8
+5V: C12.1 C12#2.1 C12#3.1 C12#4.1 C12#5.1 C12#6.1 C12#7.1 C12#8.1 C12#9.1 C12#10.1 C12#11.1 C12#12.1 D1.1 D1#2.1 D1#3.1 D1#4.1 D1#5.1 D1#6.1 D1#7.1 D1#8.1 D1#9.1 D1#10.1 D1#11.1 D1#12.1 JP2.1 JP2#2.1 JP2#3.1 JP2#4.1 JP2#5.1 JP2#6.1 JP2#7.1 JP2#8.1 JP2#9.1 JP2#10.1 JP2#11.1 JP2#12.1 P1.18 P1#2.18 P1#3.18 P1#4.18 P1#5.18 P1#6.18 P1#7.18 P1#8.18 P1#9.18 P1#10.18 P1#11.18 P1#12.18 R5.1 R5#2.1 R5#3.1 R5#4.1 R5#5.1 R5#6.1 R5#7.1 R5#8.1 R5#9.1 R5#10.1 R5#11.1 R5#12.1 R6.1 R6#2.1 R6#3.1 R6#4.1 R6#5.1 R6#6.1 R6#7.1 R6#8.1 R6#9.1 R6#10.1 R6#11.1 R6#12.1 R7.1 R7#2.1 R7#3.1 R7#4.1 R7#5.1 R7#6.1 R7#7.1 R7#8.1 R7#9.1 R7#10.1 R7#11.1 R7#12.1 U1.2 U1#2.2 U1#3.2 U1#4.2 U1#5.2 U1#6.2 U1#7.2 U1#8.2 U1#9.2 U1#10.2 U1#11.2 U1#12.2
GND: C11.2 C11#2.2 C11#3.2 C11#4.2 C11#5.2 C11#6.2 C11#7.2 C11#8.2 C11#9.2 C11#10.2 C11#11.2 C11#12.2 C12.2 C12#2.2 C12#3.2 C12#4.2 C12#5.2 C12#6.2 C12#7.2 C12#8.2 C12#9.2 C12#10.2 C12#11.2 C12#12.2 C13.2 C13#2.2 C13#3.2 C13#4.2 C13#5.2 C13#6.2 C13#7.2 C13#8.2 C13#9.2 C13#10.2 C13#11.2 C13#12.2 D3.2 D3#2.2 D3#3.2 D3#4.2 D3#5.2 D3#6.2 D3#7.2 D3#8.2 D3#9.2 D3#10.2 D3#11.2 D3#12.2 J2.15 J2.16 J2#2.15 J2#2.16 J2#3.15 J2#3.16 J2#4.15 J2#4.16 J2#5.15 J2#5.16 J2#6.15 J2#6.16 J2#7.15 J2#7.16 J2#8.15 J2#8.16 J2#9.15 J2#9.16 J2#10.15 J2#10.16 J2#11.15 J2#11.16 J2#12.15 J2#12.16 P1.0 P1.2 P1.5 P1.8 P1.11 P1.17 P1#2.0 P1#2.2 P1#2.5 P1#2.8 P1#2.11 P1#2.17 P1#3.0 P1#3.2 P1#3.5 P1#3.8 P1#3.11 P1#3.17 P1#4.0 P1#4.2 P1#4.5 P1#4.8 P1#4.11 P1#4.17 P1#5.0 P1#5.2 P1#5.5 P1#5.8 P1#5.11 P1#5.17 P1#6.0 P1#6.2 P1#6.5 P1#6.8 P1#6.11 P1#6.17 P1#7.0 P1#7.2 P1#7.5 P1#7.8 P1#7.11 P1#7.17 P1#8.0 P1#8.2 P1#8.5 P1#8.8 P1#8.11 P1#8.17 P1#9.0 P1#9.2 P1#9.5 P1#9.8 P1#9.11 P1#9.17 P1#10.0 P1#10.2 P1#10.5 P1#10.8 P1#10.11 P1#10.17 P1#11.0 P1#11.2 P1#11.5 P1#11.8 P1#11.11 P1#11.17 P1#12.0 P1#12.2 P1#12.5 P1#12.8 P1#12.11 P1#12.17 R2.2 R2#2.2 R2#3.2 R2#4.2 R2#5.2 R2#6.2 R2#7.2 R2#8.2 R2#9.2 R2#10.2 R2#11.2 R2#12.2 R10.2 R10#2.2 R10#3.2 R10#4.2 R10#5.2 R10#6.2 R10#7.2 R10#8.2 R10#9.2 R10#10.2 R10#11.2 R10#12.2 R14.2 R14#2.2 R14#3.2 R14#4.2 R14#5.2 R14#6.2 R14#7.2 R14#8.2 R14#9.2 R14#10.2 R14#11.2 R14#12.2 R18.2 R18#2.2 R18#3.2 R18#4.2 R18#5.2 R18#6.2 R18#7.2 R18#8.2 R18#9.2 R18#10.2 R18#11.2 R18#12.2 R22.2 R22#2.2 R22#3.2 R22#4.2 R22#5.2 R22#6.2 R22#7.2 R22#8.2 R22#9.2 R22#10.2 R22#11.2 R22#12.2 R29.2 R29#2.2 R29#3.2 R29#4.2 R29#5.2 R29#6.2 R29#7.2 R29#8.2 R29#9.2 R29#10.2 R29#11.2 R29#12.2 U1.4 U1#2.4 U1#3.4 U1#4.4 U1#5.4 U1#6.4 U1#7.4 U1#8.4 U1#9.4 U1#10.4 U1#11.4 U1#12.4 U2.1 U2#2.1 U2#3.1 U2#4.1 U2#5.1 U2#6.1 U2#7.1 U2#8.1 U2#9.1 U2#10.1 U2#11.1 U2#12.1
/CEC: P1.13 P1#2.13 P1#3.13 P1#4.13 P1#5.13 P1#6.13 P1#7.13 P1#8.13 P1#9.13 P1#10.13 P1#11.13 P1#12.13 R1.1 R1#2.1 R1#3.1 R1#4.1 R1#5.1 R1#6.1 R1#7.1 R1#8.1 R1#9.1 R1#10.1 R1#11.1 R1#12.1
/CLK+: C4.2 C4#2.2 C4#3.2 C4#4.2 C4#5.2 C4#6.2 C4#7.2 C4#8.2 C4#9.2 C4#10.2 C4#11.2 C4#12.2 P1.10 P1#2.10 P1#3.10 P1#4.10 P1#5.10 P1#6.10 P1#7.10 P1#8.10 P1#9.10 P1#10.10 P1#11.10 P1#12.10 R20.2 R20#2.2 R20#3.2 R20#4.2 R20#5.2 R20#6.2 R20#7.2 R20#8.2 R20#9.2 R20#10.2 R20#11.2 R20#12.2
/CLK-: C9.2 C9#2.2 C9#3.2 C9#4.2 C9#5.2 C9#6.2 C9#7.2 C9#8.2 C9#9.2 C9#10.2 C9#11.2 C9#12.2 P1.12 P1#2.12 P1#3.12 P1#4.12 P1#5.12 P1#6.12 P1#7.12 P1#8.12 P1#9.12 P1#10.12 P1#11.12 P1#12.12 R23.2 R23#2.2 R23#3.2 R23#4.2 R23#5.2 R23#6.2 R23#7.2 R23#8.2 R23#9.2 R23#10.2 R23#11.2 R23#12.2
/D0+: C3.2 C3#2.2 C3#3.2 C3#4.2 C3#5.2 C3#6.2 C3#7.2 C3#8.2 C3#9.2 C3#10.2 C3#11.2 C3#12.2 P1.7 P1#2.7 P1#3.7 P1#4.7 P1#5.7 P1#6.7 P1#7.7 P1#8.7 P1#9.7 P1#10.7 P1#11.7 P1#12.7 R16.2 R16#2.2 R16#3.2 R16#4.2 R16#5.2 R16#6.2 R16#7.2 R16#8.2 R16#9.2 R16#10.2 R16#11.2 R16#12.2
/D0-: C8.2 C8#2.2 C8#3.2 C8#4.2 C8#5.2 C8#6.2 C8#7.2 C8#8.2 C8#9.2 C8#10.2 C8#11.2 C8#12.2 P1.9 P1#2.9 P1#3.9 P1#4.9 P1#5.9 P1#6.9 P1#7.9 P1#8.9 P1#9.9 P1#10.9 P1#11.9 P1#12.9 R19.2 R19#2.2 R19#3.2 R19#4.2 R19#5.2 R19#6.2 R19#7.2 R19#8.2 R19#9.2 R19#10.2 R19#11.2 R19#12.2
/D1+: C2.2 C2#2.2 C2#3.2 C2#4.2 C2#5.2 C2#6.2 C2#7.2 C2#8.2 C2#9.2 C2#10.2 C2#11.2 C2#12.2 P1.4 P1#2.4 P1#3.4 P1#4.4 P1#5.4 P1#6.4 P1#7.4 P1#8.4 P1#9.4 P1#10.4 P1#11.4 P1#12.4 R12.2 R12#2.2 R12#3.2 R12#4.2 R12#5.2 R12#6.2 R12#7.2 R12#8.2 R12#9.2 R12#10.2 R12#11.2 R12#12.2
/D1-: C7.2 C7#2.2 C7#3.2 C7#4.2 C7#5.2 C7#6.2 C7#7.2 C7#8.2 C7#9.2 C7#10.2 C7#11.2 C7#12.2 P1.6 P1#2.6 P1#3.6 P1#4.6 P1#5.6 P1#6.6 P1#7.6 P1#8.6 P1#9.6 P1#10.6 P1#11.6 P1#12.6 R15.2 R15#2.2 R15#3.2 R15#4.2 R15#5.2 R15#6.2 R15#7.2 R15#8.2 R15#9.2 R15#10.2 R15#11.2 R15#12.2
/D2+: C1.2 C1#2.2 C1#3.2 C1#4.2 C1#5.2 C1#6.2 C1#7.2 C1#8.2 C1#9.2 C1#10.2 C1#11.2 C1#12.2 P1.1 P1#2.1 P1#3.1 P1#4.1 P1#5.1 P1#6.1 P1#7.1 P1#8.1 P1#9.1 P1#10.1 P1#11.1 P1#12.1 R8.2 R8#2.2 R8#3.2 R8#4.2 R8#5.2 R8#6.2 R8#7.2 R8#8.2 R8#9.2 R8#10.2 R8#11.2 R8#12.2
/D2-: C6.2 C6#2.2 C6#3.2 C6#4.2 C6#5.2 C6#6.2 C6#7.2 C6#8.2 C6#9.2 C6#10.2 C6#11.2 C6#12.2 P1.3 P1#2.3 P1#3.3 P1#4.3 P1#5.3 P1#6.3 P1#7.3 P1#8.3 P1#9.3 P1#10.3 P1#11.3 P1#12.3 R11.2 R11#2.2 R11#3.2 R11#4.2 R11#5.2 R11#6.2 R11#7.2 R11#8.2 R11#9.2 R11#10.2 R11#11.2 R11#12.2
/ETH+: C5.2 C5#2.2 C5#3.2 C5#4.2 C5#5.2 C5#6.2 C5#7.2 C5#8.2 C5#9.2 C5#10.2 C5#11.2 C5#12.2 P1.14 P1#2.14 P1#3.14 P1#4.14 P1#5.14 P1#6.14 P1#7.14 P1#8.14 P1#9.14 P1#10.14 P1#11.14 P1#12.14
/ETH-: P1.19 P1#2.19 P1#3.19 P1#4.19 P1#5.19 P1#6.19 P1#7.19 P1#8.19 P1#9.19 P1#10.19 P1#11.19 P1#12.19 R28.1 R28#2.1 R28#3.1 R28#4.1 R28#5.1 R28#6.1 R28#7.1 R28#8.1 R28#9.1 R28#10.1 R28#11.1 R28#12.1
GPDI_CEC: J2.2 J2#2.2 J2#3.2 J2#4.2 J2#5.2 J2#6.2 J2#7.2 J2#8.2 J2#9.2 J2#10.2 J2#11.2 J2#12.2 R1.2 R1#2.2 R1#3.2 R1#4.2 R1#5.2 R1#6.2 R1#7.2 R1#8.2 R1#9.2 R1#10.2 R1#11.2 R1#12.2
GPDI_CLK+: C4.1 C4#2.1 C4#3.1 C4#4.1 C4#5.1 C4#6.1 C4#7.1 C4#8.1 C4#9.1 C4#10.1 C4#11.1 C4#12.1 J2.12 J2#2.12 J2#3.12 J2#4.12 J2#5.12 J2#6.12 J2#7.12 J2#8.12 J2#9.12 J2#10.12 J2#11.12 J2#12.12 R21.2 R21#2.2 R21#3.2 R21#4.2 R21#5.2 R21#6.2 R21#7.2 R21#8.2 R21#9.2 R21#10.2 R21#11.2 R21#12.2 R22.1 R22#2.1 R22#3.1 R22#4.1 R22#5.1 R22#6.1 R22#7.1 R22#8.1 R22#9.1 R22#10.1 R22#11.1 R22#12.1 R27.1 R27#2.1 R27#3.1 R27#4.1 R27#5.1 R27#6.1 R27#7.1 R27#8.1 R27#9.1 R27#10.1 R27#11.1 R27#12.1
GPDI_CLK-: C9.1 C9#2.1 C9#3.1 C9#4.1 C9#5.1 C9#6.1 C9#7.1 C9#8.1 C9#9.1 C9#10.1 C9#11.1 C9#12.1 J2.11 J2#2.11 J2#3.11 J2#4.11 J2#5.11 J2#6.11 J2#7.11 J2#8.11 J2#9.11 J2#10.11 J2#11.11 J2#12.11 R27.2 R27#2.2 R27#3.2 R27#4.2 R27#5.2 R27#6.2 R27#7.2 R27#8.2 R27#9.2 R27#10.2 R27#11.2 R27#12.2
